# Altium PCB IPO1_V0.01.PcbDoc (part 1 of 2) (continued)
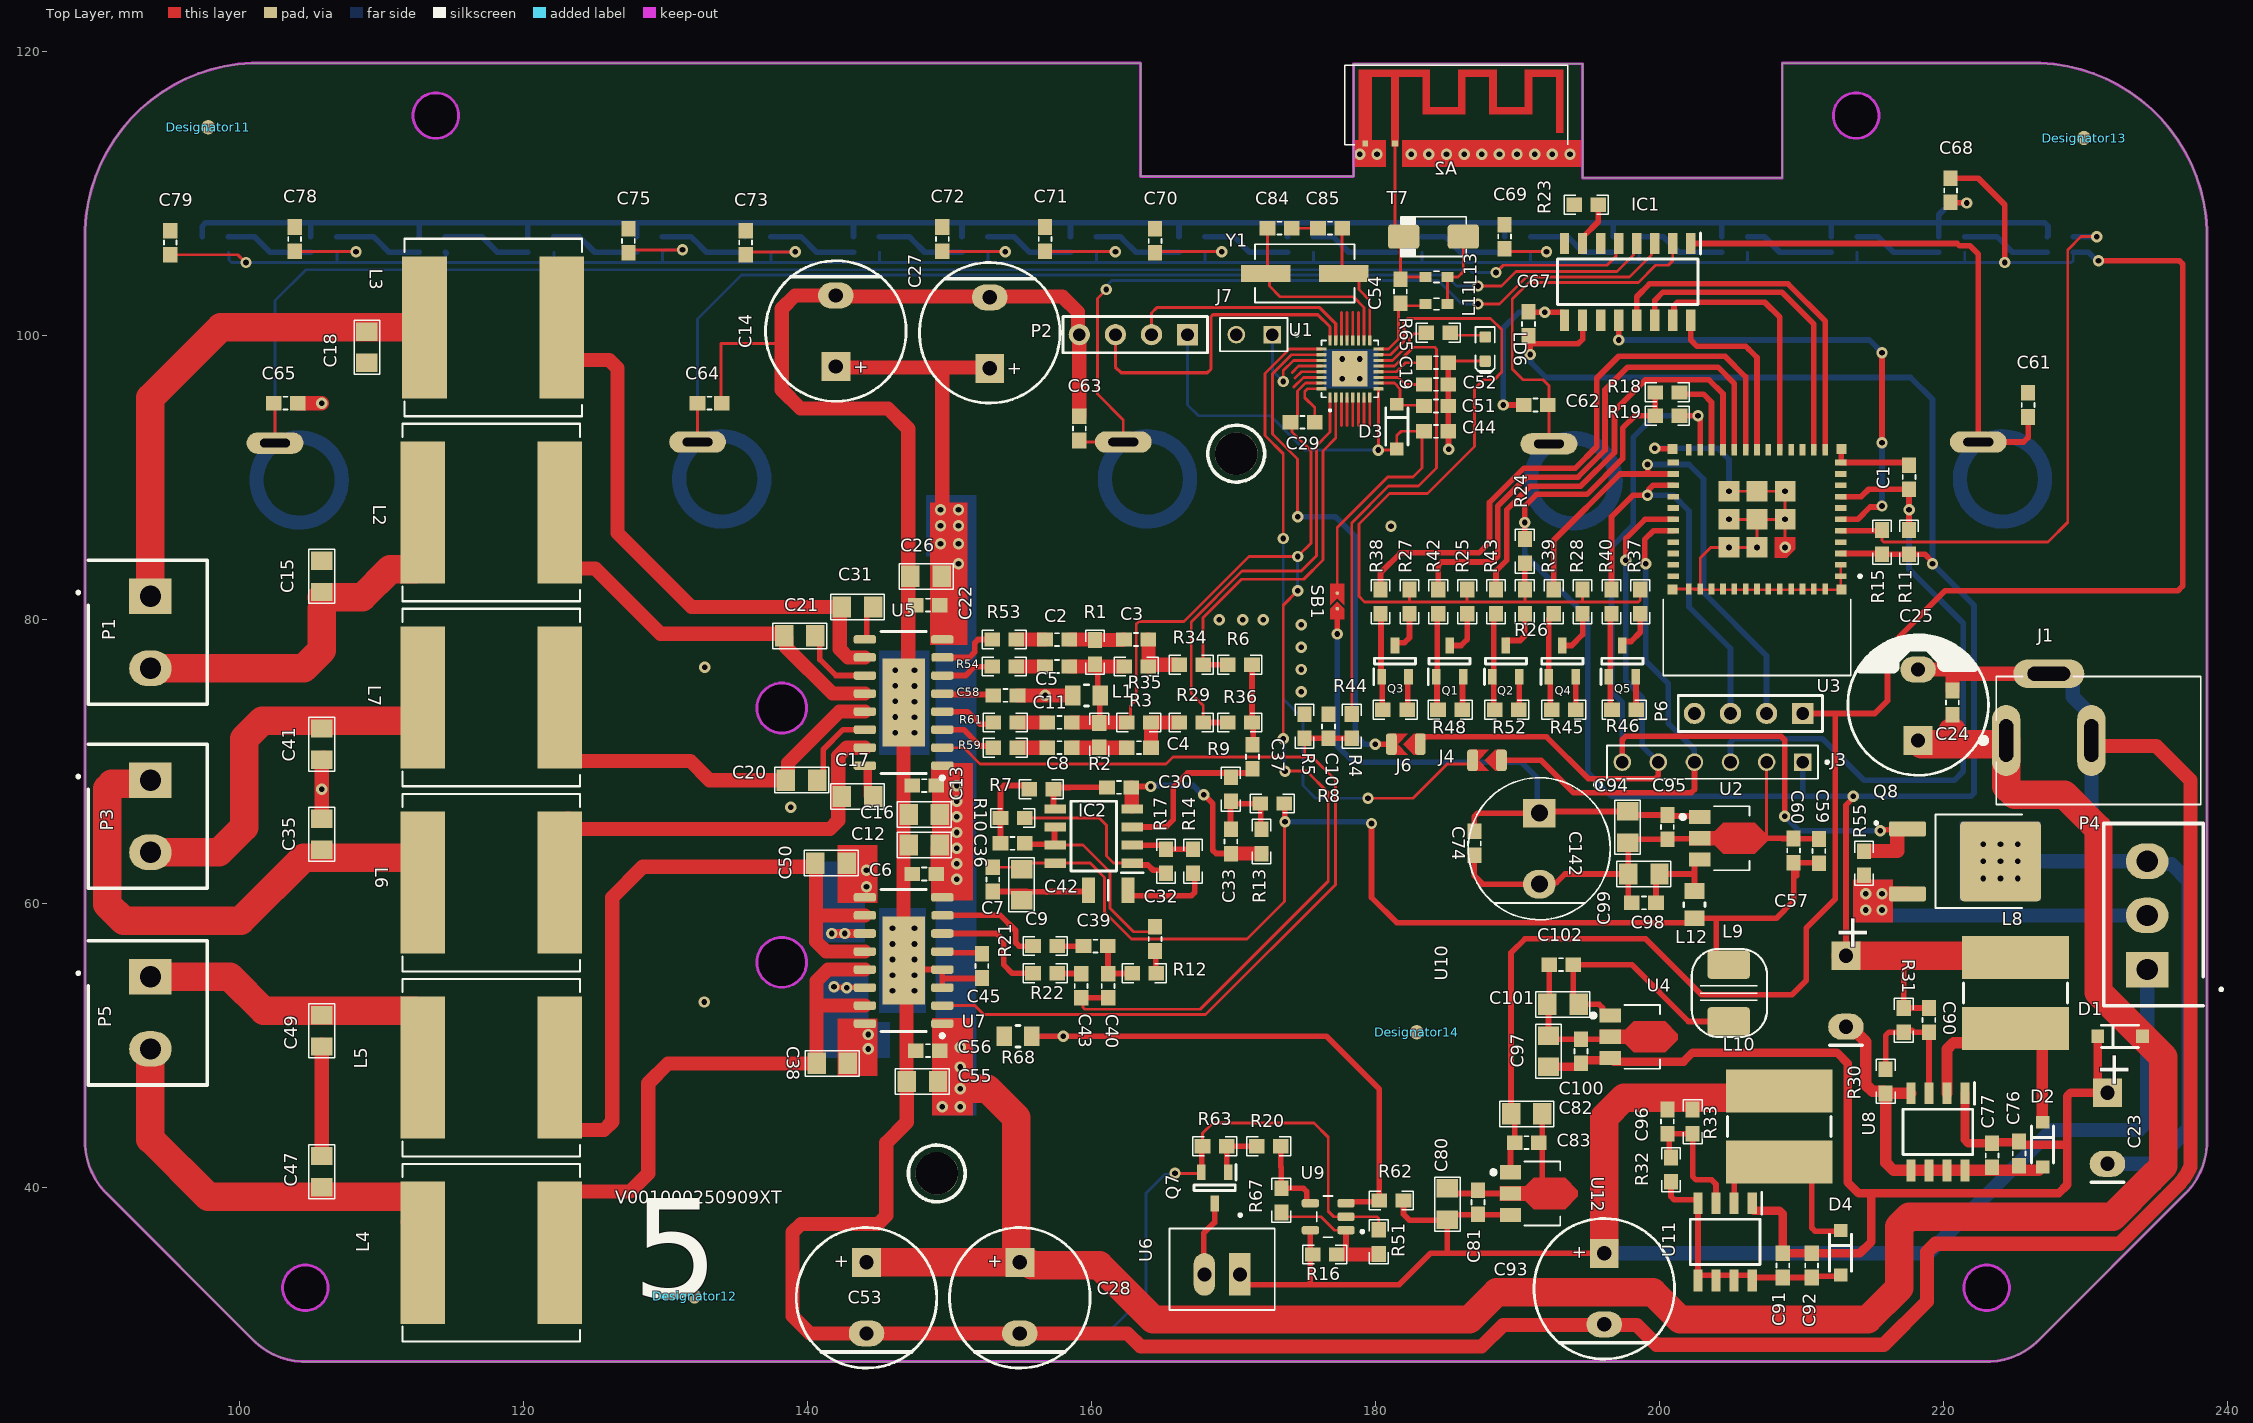
[diagram p0: Top Layer view]
## Components (designator, comment, footprint, x,y, rotation, side; value= is the part's Value field where it differs from the comment) (continued)
P2 "SWD" HDR1X4H 166.751,100.076 r180 top
P3 "Header 2" CONN-PHOENIX-5.08 93.726,66.294 r270 top
P4 "Header 3Pin" "CONN-PHOENIX-3.81 3Pin" 234.315,59.182 r90 top
P5 "Header 2" CONN-PHOENIX-5.08 93.726,52.451 r270 top
P6 "SWD" HDR1X4H 210.058,73.406 r180 top
Q1 "BC817" "BJT SS805" 185.198,77.089 r90 top
Q2 "BC817" "BJT SS805" 189.167,77.089 r90 top
Q3 "BC817" "BJT SS805" 181.356,77.089 r90 top
Q4 "BC817" "BJT SS805" 193.135,77.089 r90 top
Q5 "BC817" "BJT SS805" 197.358,77.089 r90 top
Q7 "BC817" BC817 168.656,40.005 r270 top
Q8 "M9003B BJT" "M9003 BJT" 221.488,62.992 r0 top
R1 "NC" RES-0603 160.231,77.724 r90 top value=3.3k
R2 "NC" RES-0603 160.528,71.882 r270 top value=3.3k
R3 "NC" RES-0603 163.322,72.771 r180 top value=3.3k
R4 "33k" RES-0603 178.308,72.517 r90 top
R5 "22K" RES-0603 174.987,72.497 r270 top
R6 "27K" RES-0603 170.434,76.835 r0 top
R7 "10k" RES-0603 156.464,68.072 r180 top
R8 "3.3k" RES-0603 172.72,67.056 r180 top
R9 "47k" RES-0603 169.799,68.072 r270 top
R10 "10k" RES-0603 154.432,66.04 r180 top
R11 "10k" RES-0603 217.551,85.471 r270 top
R12 "10k" RES-0603 163.703,55.118 r0 top
R13 "2.2k" RES-0603 171.958,64.389 r270 top
R14 "2.2k" RES-0603 167.132,62.992 r270 top
R15 "10k" RES-0603 215.646,85.471 r270 top
R16 "10k" RES-0603 176.403,35.306 r0 top
R17 "3.3k" RES-0603 165.227,62.992 r270 top
R18 "10k" RES-0603 200.533,96.012 r0 top
R19 "10k" RES-0603 200.533,94.361 r180 top
R20 "1k" RES-0603 172.466,42.926 r0 top
R21 "0R" RES-0603 156.718,57.023 r0 top
R22 "0R" RES-0603 156.718,55.118 r0 top
R23 "1k" RES-0603 194.818,109.22 r0 top
R24 "22K" RES-0603 190.5,84.836 r90 top
R25 "6.8k" RES-0603 186.436,81.28 r270 top
R26 "9.1k" RES-0603 190.5,81.28 r270 top
R27 "3.3k" RES-0603 182.372,81.28 r270 top
R28 "15k" RES-0603 194.564,81.28 r270 top
R29 "0R" RES-0603 167.005,72.771 r180 top value=3.3k
R30 "3.3k" RES-0603 215.9,47.498 r270 top
R31 "5.6k" RES-0603 217.17,51.816 r270 top
R32 "1k" RES-0603 200.787,41.286 r270 top
R33 "9.1k" RES-0603 202.311,44.665 r270 top
R34 "0R" RES-0603 167.005,76.835 r180 top value=3.3k
R35 "NC" RES-0603 163.141,76.708 r0 top value=3.3k
R36 "27K" RES-0603 170.434,72.771 r180 top
R37 "22k" RES-0603 198.628,81.28 r270 top
R38 "1k" RES-0603 180.34,81.28 r270 top
R39 "1k" RES-0603 192.532,81.28 r90 top
R40 "1k" RES-0603 196.596,81.28 r270 top
R42 "1k" RES-0603 184.404,81.28 r90 top
R43 "1k" RES-0603 188.468,81.28 r90 top
R44 "4.7K" RES-0603 181.356,73.66 r180 top
R45 "4.7K" RES-0603 193.23,73.66 r180 top
R46 "4.7K" RES-0603 197.485,73.66 r180 top
R48 "4.7K" RES-0603 185.23,73.66 r180 top
R51 "1k" RES-0603 180.213,36.195 r90 top
R52 "4.7K" RES-0603 189.23,73.66 r0 top
R53 "0R" RES-0603 153.851,78.608 r0 top
R54 "0R" RES-0603 153.851,76.703 r0 top
R55 "NC" RES-0603 214.376,62.865 r270 top
R56 "NTC 10K" RES-0805 154.686,50.546 r180 bottom
R59 "0R" RES-0603 153.924,70.993 r0 top
R61 "0R" RES-0603 153.924,72.771 r0 top
R62 "10k" RES-0603 181.102,39.116 r180 top
R63 "4.7k" RES-0603 168.656,42.926 r0 top
R65 "1k" RES-0603 184.404,100.203 r180 top
R67 "22k" RES-0603 173.355,39.116 r270 top
R68 "NTC 10K" RES-0805 154.813,50.673 r180 top
SB1 "jumper" JP2_SMD 177.292,81.28 r90 top
T2 "NEXT" "Touch pad CIRCULE - 5mm"#1 104.201,89.839 r0 bottom
T3 "VOL+" "Touch pad CIRCULE - 5mm"#2 133.953,89.916 r0 bottom locked
T4 "PP" "Touch pad CIRCULE - 5mm"#1 163.925,89.916 r0 bottom
T5 "VOL-" "Touch pad CIRCULE - 5mm"#1 193.897,89.789 r0 bottom locked
T6 "PREV" "Touch pad CIRCULE - 5mm"#1 224.123,89.916 r0 bottom locked
T7 "BioDirectional TVS Diod" SMAJ3.3A 184.066,106.976 r0 top
U1 "JL7016C" JL7016C 178.181,97.663 r90 top
U2 "78L05" 78L05 204.819,64.619 r270 top
U3 "ESP32-C3-MINI-1-N4" ESP32-C3-MINI-1 206.845,84.369 r180 top
U4 "78L12" 78L05 198.516,50.635 r270 top
U5 "CS8673E" CS8673E 146.754,74.168 r180 top
U6 "FAN_12V" "FAN_Connector XH" 169.184,33.384 r180 top
U7 "CS8673E" CS8673E 146.754,56.007 r180 top
U8 "XL1509-12E" FR9886 219.583,43.942 r270 top
U9 "LM321" LM321 176.648,37.971 r180 top
U10 "FAN_Heatsink" FAN_Heatsink 159.512,66.294 r180 top locked
U11 "XL1509-05E" FR9886 204.597,36.195 r270 top
U12 "78L05" 78L05 191.484,39.6 r270 top
Y1 "24MHZ" "crystal b" 175.006,104.394 r180 top

## Footprints (in the part's own frame and the unit in brackets; to place one, negate y for a bottom-side part, rotate by r counter-clockwise, add the part's x,y. Pads: shape width x height; smd on the part's side, far side on the other; paste and mask are expansions set on the pad)
"1N4148 SOD-123" [mm]
  rect 0.9x0.95 smd: 1(-1.575,0) 2(1.575,0)
  silkscreen extent -1.3,-0.77 1.3,0.77, body extent -1.85,-0.8 1.85,0.8, height 1.28
"1N5819 SOD-123" [mm]
  rect 0.9x0.95 smd: 1(-1.575,0) 2(1.575,0)
  silkscreen extent -1.3,-0.77 1.3,0.77, body extent -1.85,-0.8 1.85,0.8, height 1.28
78L05 [mm] "SOT-89"
  rect 1x1.5 smd: 1(-1.5,-2) 3(1.5,-2)
  rect 1x1.5 smd paste-2 mask+0: 2(0,-2)
  Top Layer region: 1.1,1.85 1.1,-0.35 0.5,-0.95 0.5,-2.75 -0.5,-2.75 -0.5,-0.95 -1.1,-0.35 -1.1,1.85 -0.2,2.75 0.2,2.75
  silkscreen extent -2.25,-3.34 2.25,1.5, body extent -2.29,-2.35 2.41,2.1, height 1.7
"ANTENNA 2.4GHZ - TI" [mm] "TI ANTENNA"
  rect 0.4x0.4 smd: 1(-2.05,0.2) 2(0.05,0.2)
  Top Layer region: 0.3,0 -0.2,0 -0.2,4.9 -1.6,4.9 -1.6,0 -2.5,0 -2.5,5.4 2.5,5.4 2.5,2.76 4.5,2.76 4.5,5.4 7.2,5.4 7.2,2.76 9.2,2.76 9.2,5.4 11.9,5.4 11.9,0.96 11.4,0.96 11.4,4.9 9.7,4.9 9.7,2.26 6.7,2.26 6.7,4.9 5,4.9 5,2.26 2,2.26 2,4.9 0.3,4.9
  silkscreen extent -3.5,0.1 12.2,5.7
BC817 [mm] "SOT23-3"
  rect 1.1x0.6 smd: 1(-1.1,0.95) 2(-1.1,-0.95) 3(1.1,0)
  silkscreen extent -1.65,-1.45 0.2,1.5, body extent -1.25,-1.5 1.25,1.5, height 1.11
"BJT SS805" [mm]
  rect 1.1x0.6 smd: 1(-1.1,0.95) 2(-1.1,-0.95) 3(1.1,0)
  silkscreen extent -1.65,-1.45 0.2,1.5, body extent -1.25,-1.5 1.25,1.5, height 1.11
BS816A-1 [mm]
  rect 1.5x0.65 smd: 1(-2.7,4.445) 2(-2.7,3.175) 3(-2.7,1.905) 4(-2.7,0.635) 5(-2.7,-0.635) 6(-2.7,-1.905) 7(-2.7,-3.175) 8(-2.7,-4.445) 9(2.7,-4.445) 10(2.7,-3.175) 11(2.7,-1.905) 12(2.7,-0.635) 13(2.7,0.635) 14(2.7,1.905) 15(2.7,3.175) 16(2.7,4.445)
  silkscreen extent -3.45,-4.95 1.6,5.12, body extent -3,-4.95 3,4.95, height 1.75
cap0603 [mm]
  rect 1.1x1 smd: 1(-0.85,0) 2(0.85,0)
  silkscreen extent -0.15,-0.45 0.15,0.45, body extent -0.8,-0.45 0.8,0.45, height 0.82
"CAP 0805" [mil]
  rect 51x59 smd: 1(-43.31,0) 2(43.31,0)
  Top Layer pour cut-out: 15,35 15,-35 -15,-35 -15,35
  silkscreen extent -75,-35 75,35, body extent -39,-25 39,25, height 31
"CAP 1206" [mm]
  rect 0.9x1.82 smd: 1(-1.397,0) 2(1.397,0)
  silkscreen extent 0,-0.7 0,0.7, body extent -1.6,-0.8 1.6,0.8, height 1.8
"cap  dip 10*20" [mm] "CAP 8*13"
  rect 2x2.3 hole 1.2: 1(-2.5,0)
  oval 2x2.3 hole 1.2: 2(2.5,0)
  silkscreen extent -5,-5 5,5, body extent -5,-4.99 5,5, height 23.8
"CAP DIP 10*13" [mm] "CAP 10*13"
  rect 2.032x2.032 hole 1: 1(0,2.5)
  oval 2.5x1.829 hole 1: 2(0,-2.5)
  silkscreen extent -4.95,-4.95 4.95,4.95, body extent -5,-5 5,5, height 13.3
"CONN-PHOENIX-3.81 3Pin" [mm]
  rect 2.5x3 hole 1.5: 1(-3.81,0)
  oval 2.5x3 hole 1.5: 2(0,0) 3(3.81,0)
  silkscreen extent -6.35,-5.31 6.48,3.05, body extent -6.41,-4.19 6.41,3.06, height 9.2
CONN-PHOENIX-5.08 [mm]
  rect 2.5x3 hole 1.5: 1(-2.413,0)
  oval 2.5x3 hole 1.5: 2(2.667,0)
  silkscreen extent -4.95,-5.18 5.21,4, body extent -5.08,-4.38 5.08,4.12, height 12
"crystal b" [mm]
  rect 3.5x1.2 smd: 1(-2.75,0) 2(2.75,0)
  silkscreen extent -3.5,-2.05 3.5,2.05, body extent -3.8,-2.05 3.8,2.05, height 2.3
CS8673E [mm] "ESOP16"
  rrect50% 1.57x0.6 smd paste-1: 1(-2.725,4.445) 2(-2.725,3.175) 3(-2.725,1.905) 4(-2.725,0.635) 5(-2.725,-0.632) 6(-2.725,-1.905) 7(-2.746,-3.179) 8(-2.725,-4.445) 9(2.725,-4.445) 10(2.725,-3.179) 11(2.725,-1.905) 12(2.725,-0.632) 13(2.725,0.635) 14(2.725,1.905) 15(2.725,3.175) 16(2.725,4.445)
  rect 3x6.2 smd paste-2539.97: 17(0,0)
  silkscreen extent -2.85,-5 1.6,5.42, body extent -3,-5 3,5, height 2.65
ESP32-C3-MINI-1 [mm]
  rect 0.8x0.4 smd: 1(-5.9,1.3) 2(-5.9,0.5) 3(-5.9,-0.3) 4(-5.9,-1.1) 5(-5.9,-1.9) 6(-5.9,-2.7) 7(-5.9,-3.5) 8(-5.9,-4.3) 9(-5.9,-5.1) 10(-5.9,-5.9) 11(-5.9,-6.7) 25(5.9,-6.7) 26(5.9,-5.9) 27(5.9,-5.1) 28(5.9,-4.3) 29(5.9,-3.5) 30(5.9,-2.7) 31(5.9,-1.9) 32(5.9,-1.1) 33(5.9,-0.3) 34(5.9,0.5) 35(5.9,1.3)
  rect 0.4x0.8 smd: 12(-4.8,-7.6) 13(-4,-7.6) 14(-3.2,-7.6) 15(-2.4,-7.6) 16(-1.6,-7.6) 17(-0.8,-7.6) 18(0,-7.6) 19(0.8,-7.6) 20(1.6,-7.6) 21(2.4,-7.6) 22(3.2,-7.6) 23(4,-7.6) 24(4.8,-7.6) 36(4.8,2.2) 37(4,2.2) 38(3.2,2.2) 39(2.4,2.2) 40(1.6,2.2) 41(0.8,2.2) 42(0,2.2) 43(-0.8,2.2) 44(-1.6,2.2) 45(-2.4,2.2) 46(-3.2,2.2) 47(-4,2.2) 48(-4.8,2.2)
  rect 0.6x0.6 smd paste-1 mask+0: 49_1(-1.975,-0.725)
  rect 1.45x1.45 smd: 49_2(0,-0.725) 49_3(1.975,-0.725) 49_4(1.975,-2.7) 49_5(1.975,-4.675) 49_6(0,-4.675) 49_7(-1.975,-4.675) 49_8(-1.975,-2.7) 49_9(0,-2.7)
  rect 0.7x0.7 smd: 50(5.95,2.25) 51(5.95,-7.65) 52(-5.95,-7.65) 53(-5.95,2.25)
  Top Layer region: -1.25,-1.45 -2.7,-1.45 -2.7,-0.6 -2.1,0 -1.25,0
  silkscreen extent -7.35,1.2 6.6,8.3, body extent -6.6,-8.3 6.6,8.3, height 2.55
"FAN_Connector XH" [mm] "FAN_Connector XH 2.54mm"
  rect 1.508x3 hole 1: 1(-1.25,-0.525)
  oval 1.508x3 hole 1: 2(1.25,-0.525)
  silkscreen extent -3.7,-4.8 3.7,1.99, body extent -3.71,-3.89 3.68,1.85, height 7.12
FAN_Heatsink [mm] "55mm Aluminum Heatsink with Cooling Fan"
  round 3 hole 3: 3(-10.668,-25.4) 3(10.414,25.273)
  silkscreen extent -12.67,-27.4 12.41,27.27, body extent -27.5,-28.41 27.5,28.42, height 22.15
Ferrite-0805 [mm]
  rect 1.1x1.4 smd: 1(0.962,0) 2(-0.962,0)
  silkscreen extent -0.14,-0.75 0.14,0.75, body extent -1.02,-0.63 1.02,0.64, height 0.6
Fiducial-2layer [mm]
  round 1 smd paste-1 mask+0.8: 25(0,0) 25(0,0)
  round 1 smd far side paste-1 mask+0.8: 25(0,0) 25(0,0)
FR9886 [mm]
  rect 1.525x0.65 smd: 1(-2.712,1.905) 2(-2.712,0.635) 3(-2.712,-0.635) 4(-2.712,-1.905) 5(2.712,-1.905) 6(2.712,-0.635) 7(2.712,0.635) 8(2.712,1.905)
  silkscreen extent -3.47,-2.45 1.6,2.58, body extent -3,-2.45 3,2.45, height 1.75
HDR1X4H [mm] "Connector; Header; 4 Position; Right Angle"
  rect 1.5x1.5 hole 0.9: 1(0,0)
  round 1.5 hole 0.9: 2(2.54,0) 3(5.08,0) 4(7.62,0)
  silkscreen extent -1.4,-1.27 8.76,1.27
"Inductor 8*7" [mm] "Inductor, 2-Leads"
  rect 3x7.5 smd: 1(-2.5,0) 2(2.5,0)
  silkscreen extent -0.7,-3.65 0.7,3.65, body extent -3.95,-3.5 3.94,3.5, height 5
"inductor 12*12" [mil]
  rect 124x393.7 smd paste-99999: 1(-190,0) 2(190,0)
  silkscreen extent -246,-246 246,246, body extent -236,-236 236,236, height 315
"inductor 0603" [mm]
  rect 0.85x0.7 smd: 1(-0.775,0) 2(0.775,0)
  silkscreen extent -0.2,-0.4 0.2,0.4, body extent -0.8,-0.4 0.8,0.4, height 0.8
"Inductor SMD 5.3x6.3mm" [mm] "Inductor 4.7µH SMD 5.3*6.3mm"
  round 0.508 on Mech15: 0(0,0)
  rrect25% 2x3 smd: 1(-2,0) 2(2,0)
  silkscreen extent -3.1,-2.6 3.1,2.7, body extent -2.9,-2.6 2.89,2.6, height 4.5
JL7016C [mm] "QFN32 4*4"
  rrect25% 0.71x0.22 smd mask-2539.97: 1(-2.005,1.4) 2(-2.005,1) 3(-2.005,0.6) 4(-2.005,0.2) 5(-2.005,-0.2) 6(-2.005,-0.6) 7(-2.005,-1) 8(-2.005,-1.4) 17(2.005,-1.4) 18(2.005,-1) 19(2.005,-0.6) 20(2.005,-0.2) 21(2.005,0.2) 22(2.005,0.6) 23(2.005,1) 24(2.005,1.4)
  rrect25% 0.22x0.71 smd mask-2539.97: 9(-1.4,-2.005) 10(-1,-2.005) 11(-0.6,-2.005) 12(-0.2,-2.005) 13(0.2,-2.005) 14(0.6,-2.005) 15(1,-2.005) 16(1.4,-2.005) 25(1.4,2.005) 26(1,2.005) 27(0.6,2.005) 28(0.2,2.005) 29(-0.2,2.005) 30(-0.6,2.005) 31(-1,2.005) 32(-1.4,2.005)
  rect 2.5x2.5 smd paste-2: 33(0,0)
  silkscreen extent -2.97,-2 2,2, body extent -2,-2 2,2, height 0.55
JP2_SMD [mil]
  round 10 smd paste-10 mask+3.94: 1(-19.68,0) 2(23.62,0)
  Top Layer region: -9.84,-19.69 49.21,-19.69 49.21,19.68 -9.84,19.68 9.84,0
  Top Layer region: -19.68,19.68 -49.21,19.68 -49.21,-19.69 -19.68,-19.69 0,0
LED-0603-BLUE [mm]
  round 0.254 on Mech15: 0(0,0)
  rrect25% 0.8x0.8 smd: 1(0.85,0) 2(-0.85,0)
  Bottom Layer pour cut-out: -0.5,-0.5 0.5,-0.5 0.5,0.5 -0.5,0.5
  silkscreen extent -1.55,-0.67 1.68,0.67, body extent -0.8,-0.4 0.8,0.4, height 0.75
LM321 [mm] "SOT23-5"
  rrect50% 1.21x0.59 smd: 1(-1.255,0.95) 2(-1.255,0) 3(-1.255,-0.95) 4(1.255,-0.95) 5(1.255,0.95)
  silkscreen extent -2.51,-1.45 0.8,1.45, body extent -1.4,-1.45 1.4,1.45, height 1.43
"M9003 BJT" [mm] "TO255-DPACK"
  rrect25% 2.6x1.06 smd: 1(-4.05,2.286) 3(-4.05,-2.286)
  rrect10% 5.7x5.632 smd paste-4: 2(2.5,0)
  silkscreen extent -6.35,-3.29 4.03,3.29, body extent -4.77,-3.3 4.98,3.3, height 2.3
"pin header1*6" [mm]
  rect 1.24x1.24 hole 0.89: 1(0,0)
  round 1.24 hole 0.89: 2(2.54,0) 3(5.08,0) 4(7.62,0) 5(10.16,0) 6(12.7,0)
  silkscreen extent -1.82,-1.17 13.77,1.17, body extent -1.27,-1.24 13.97,1.25, height 8.54
"pin header R 1*2" [mm] "2.54MM"
  rect 1.24x1.24 hole 0.89: 1(0,0)
  round 1.24 hole 0.89: 2(2.54,0)
  silkscreen extent -1.82,-1.17 3.68,1.17, body extent -1.26,-1.27 3.82,7.18, height 4.4
"Power jack" [mm]
  oval 2x5 hole 1 slot 3 at 90 deg: 1(-6.5,0) 2(-0.5,0)
  oval 5x2 hole 1 slot 3 at 0 deg: 3(-3.5,4.7)
  silkscreen extent -8.3,-4.5 7.2,4.5, body extent -7.2,-4.57 7.2,4.83, height 11.01
RC4558 [mm]
  rect 1.525x0.65 smd: 1(-2.712,1.905) 2(-2.712,0.635) 3(-2.712,-0.635) 4(-2.712,-1.905) 5(2.712,-1.905) 6(2.712,-0.635) 7(2.712,0.635) 8(2.712,1.905)
  silkscreen extent -3.47,-2.45 1.6,2.58, body extent -3,-2.45 3,2.45, height 1.75
RES-0603 [mm]
  rect 1.1x1 smd: 1(0.85,0) 2(-0.85,0)
  Top Layer pour cut-out: 0.254,0.635 -0.254,0.635 -0.254,-0.635 0.254,-0.635
  silkscreen extent -1.55,-0.66 1.55,0.66, body extent -0.8,-0.42 0.8,0.43, height 0.45
RES-0805 [mm]
  rect 1.1x1.4 smd: 1(0.962,0) 2(-0.962,0)
  silkscreen extent -0.14,-0.75 0.14,0.75, body extent -1.02,-0.63 1.02,0.64, height 0.6
SMAJ3.3A [mm] "JEDEC DO214-AC. SMA"
  round 0.508 on Mech15: 0(0,0)
  rrect25% 2.2x1.7 smd: A(2.1,0) C(-2.1,0)
  silkscreen extent -2.3,-1.4 2.3,1.4, body extent -2.6,-1.3 2.6,1.3, height 2.42
SOLDERJUMPER_ARROW_NOPASTE [mil] "SOLDERJUMPER_ARROW_NOPASTE"
  rrect50% 30x60 smd paste+0 mask+0: 1(-40,0) 2(40,0)
  Top Layer region: -5,29 23,0 -5,-29 45,-29 45,29 -5,29
  Top Layer region: -45,29 -22.5,29 6.5,0 -22.5,-29 -45,-29 -45,29
  body extent -58,-33 58,33, height 150
"Touch pad CIRCULE - 5mm"#1 [mm]
  oval 4x1.5 hole 0.6 slot 2.1 at 0 deg: 1(-1.7,-2.6)
  Top Layer circle w1: c0,0 r3
  body extent -6.1,-6.34 5.76,5.93, height 17.33
"Touch pad CIRCULE - 5mm"#2 [mm]
  oval 4x1.5 hole 0.6 slot 2.1 at 0 deg: 1(-1.7,-2.6)
  Top Layer lines w1: -1.497,-2.6 ccw(c0,0) -0.895,-2.863 ccw(c0,0) 3,0 ccw(c0,0) -1.497,-2.6
  body extent -6.1,-6.34 5.76,5.93, height 17.33
WS28122020 [mm]
  rect 0.7x0.7 smd: 1(0.915,-0.55) 2(0.915,0.55) 3(-0.915,0.55) 4(-0.915,-0.55)
  silkscreen extent -0.2,-1 1.8,1, body extent -1.1,-1 1.1,1, height 0.94

## Part data
A2: "ESP32 ANTENNA", Package=None, Digi-Key_Part_Number=1532-1001-1-ND, Digi-Key_Purchase_URL=https://www.digikey.com/product-detail/en/proant-ab/PRO-OB-440/1532-1001-1-ND/4895684?utm_source=snapeda&utm_medium=aggregator&utm_campaign=symbol, MF="Proant AB", MP=PRO-OB-440, SnapEDA_Link=https://www.snapeda.com/parts/PRO-OB-440/Proant%20AB/view-part/2307534/?ref=snap
C1 C2 C3 C4 C5 C6 C7 C8 C10 C11 C13 C19 C22 C24 C29 C30 C32 C33 C36 C37 C39 C40 C43 C44 C45 C51 C52 C54 C56 C58 C59 C60 C61 C62 C63 C64 C65 C67 C68 C69 C70 C71 C72 C73 C74 C75 C76 C77 C78 C79 C81 C83 C84 C85 C90 C91 C92 C95 C96 C98 C100 C102: library part "Cap 0603", "Capacitor 0603", LatestRevisionDate=17-Jul-2002, LatestRevisionNote="Re-released for DXP Platform.", Published=8-Jun-2000, Publisher="Altium Limited"
C9 C12 C15 C16 C17 C18 C20 C21 C26 C31 C35 C38 C41 C47 C49 C50 C55 C80 C82 C94 C97 C99 C101: library part "Cap 0805", "Capacitor 0805", LatestRevisionDate=17-Jul-2002, LatestRevisionNote="Re-released for DXP Platform.", Published=8-Jun-2000, Publisher="Altium Limited"
C14 C23 C25 C27 C28 C53 C57 C93: library part "capacitor dip 10*13", "2200ÂµF 50V Aluminum Electrolytic Capacitors Radial, Can 1000 Hrs @ 105Â°C", Package="Radial Nichicon", Availability=Unavailable, MF=Nichicon, MP=UVZ1H222MHD, Price=None, SnapEDA_Link=https://www.snapeda.com/parts/UVZ1H222MHD/Nichicon/view-part/468437/?ref=snap
C42: library part "Cap 1206", "Capacitor 1206", LatestRevisionDate=17-Jul-2002, LatestRevisionNote="Re-released for DXP Platform.", Published=8-Jun-2000, Publisher="Altium Limited"
C142: library part "capacitor dip 10*20", "2200ÂµF 50V Aluminum Electrolytic Capacitors Radial, Can 1000 Hrs @ 105Â°C", Package="Radial Nichicon", Availability=Unavailable, MF=Nichicon, MP=UVZ1H222MHD, Price=None, SnapEDA_Link=https://www.snapeda.com/parts/UVZ1H222MHD/Nichicon/view-part/468437/?ref=snap
D1 D2 D4: "Shotkey diod SOD-123", Package="SOD-523 NXP Semiconductors", Arrow_Electronics-Purchase-URL=https://snapeda.com/shop?store=Arrow+Electronics&id=143287, Availability=Unavailable, MF="Nexperia USA", MP=BAS716, Price=None, SnapEDA_Link=https://www.snapeda.com/parts/BAS716/Nexperia%20USA%20Inc./view-part/143287/?ref=snap
D3: library part 1N4148_SOD123, "SOD-123 Package", Package=None, Availability=Unavailable, MF="ROHM Semiconductor", MP=EDZV12B, Price=None, SnapEDA_Link=https://www.snapeda.com/parts/EDZV12B/EMI/view-part/4479349/?ref=snap
IC1: "6_ch touch sensor 16-pin NSOP", Manufacturer_Name=Holtek, Datasheet Link=https://www.holtek.com/documents/10179/116711/BS81xA-xv150.pdf, Height=1.75mm, Manufacturer_Part_Number=BS816A-1
IC2: "Integrated Circuit SOIC 8", Manufacturer_Name="Texas Instruments", Mouser Part Number=595-RC4558DR, Arrow Part Number=RC4558DR, Arrow Price/Stock=https://www.arrow.com/en/products/rc4558dr/texas-instruments, Datasheet Link=http://www.ti.com/lit/gpn/rc4558, Height=1.75mm, Manufacturer_Part_Number=RC4558DR, Mouser Price/Stock=https://www.mouser.co.uk/ProductDetail/Texas-Instruments/RC4558DR?qs=DXdcjUGny5OhrzskaZRdew%3D%3D
J1: "2.0 x 6.5 mm, 2.5 A, Horizontal, Through Hole, Tapered Pins, Dc Power Jack Connector", Package=None, Availability=Unavailable, CUI_purchase_URL=https://www.cuidevices.com/product/interconnect/connectors/dc-power-connectors/jacks/pj-102a?utm_source=snapeda.com&utm_medium=referral&utm_campaign=snapedaBOM, MF="CUI Devices", MP=PJ-102A, Price=None, SnapEDA_Link=https://www.snapeda.com/parts/PJ-102A/CUI%20Devices/view-part/55545/?ref=snap
J3: library part "pin header 06", "Pin Connector 06 MODII HDR SRST B/A .100CL 6 POS", Package=None, Availability=Unavailable, MF="TE Connectivity", MP=5-146283-6, Price=None, SnapEDA_Link=https://www.snapeda.com/parts/5-146283-6/TE%20Connectivity%20AMP%20Connectors/view-part/?ref=snap, TE_purchase_URL=https://www.te.com/usa-en/product-5-146283-6.html?te_bu=Cor&te_type=disp&te_campaign=seda_glo_cor-seda-global-disp-prtnr-fy19-seda-model-bom-cta_sma-317_1&elqCampaignId=32493
J4 J6: "SMD Solder JUMPERSolder the two pads together to create a connection, or remove the solder to break it.REFLOW - Use this footprint for solder paste and reflow ovens.WAVE - Use this footprint for hand-soldering (larger pads). CLOSED - Has a trace between the two pads to ensure it is closed by default.  The trace needs to be cut to disable the jumper, and can be closed again by creating a solder bridge between the two pads.", BOM=EXCLUDE, DeviceSetName=SOLDERJUMPER, GateName_1=1, LibraryName=microbuilder, SymbolName_1=SOLDERJUMPER
J7: "pin header 1*2 2.54mm"
L1 L12: library part "Ferrite _0805", "BLM Series 0805 330 Ohm 400 mA 0.58 Ohm DCR Surface Mount Ferrite Bead", Package="0603 Murata", Availability=Unavailable, MF=Murata, MP=BLM18BB331SN1D, Price=None, SnapEDA_Link=https://www.snapeda.com/parts/BLM18BB331SN1D/Murata%20Electronics%20North%20America/view-part/?ref=snap
L2 L3 L4 L5 L6 L7: library part "INDUCTOR 12*12", "Inductor round 12*12", Package="Nonstandard Eaton", Availability=Unavailable, MF=Eaton, MP=DR127-330-R, Price=None, SnapEDA_Link=https://www.snapeda.com/parts/DR127-330-R/Eaton/view-part/?ref=snap
L8 L10: library part "INDUCTOR 8*7", "Inductor round 8*7", Package="Nonstandard Eaton", Availability=Unavailable, MF=Eaton, MP=DR127-330-R, Price=None, SnapEDA_Link=https://www.snapeda.com/parts/DR127-330-R/Eaton/view-part/?ref=snap
L9: library part "INDUCTOR 5.3*6.3", "Inductor round 5.3*6.3", Package="Nonstandard Eaton", Availability=Unavailable, MF=Eaton, MP=DR127-330-R, Price=None, SnapEDA_Link=https://www.snapeda.com/parts/DR127-330-R/Eaton/view-part/?ref=snap
L11 L13: library part INDUCTOR_SMD, "Inductor smd", Package="Nonstandard Eaton", Availability=Unavailable, MF=Eaton, MP=DR127-330-R, Price=None, SnapEDA_Link=https://www.snapeda.com/parts/DR127-330-R/Eaton/view-part/?ref=snap
LD6: library part LED_blue, "LED, Blue, 0603", Manuf_1=everlight, Manuf_Part_1=19-213-R6C-AP1Q2B/3T, ECCN_US/EU=EAR99/NEC, Order=19-213-R6C-AP1Q2B/3T
LED1 LED2 LED3 LED4 LED5 LED6 LED7 LED8 LED9 LED10 LED11 LED12 LED13 LED14 LED15 LED16 LED17 LED18: "LED", Manufacturer_Name=Worldsemi, Datasheet Link=http://www.world-semi.com/DownLoadFile/140, Height=0.84mm, Manufacturer_Part_Number=WS2812-2020
P1 P3 P5: library part CONN-Phoenix-5.08, "Phoenix Connector 5.08", LatestRevisionDate=17-Jul-2002, LatestRevisionNote="Re-released for DXP Platform.", Publisher="Altium Limited"
P2: library part "Header 4", "Header, 4-Pin", LatestRevisionDate=17-Jul-2002, LatestRevisionNote="Re-released for DXP Platform.", Publisher="Altium Limited"
P4: library part "CONN-Phoenix-3.81 3Pin", "Phoenix Connector 3.81", LatestRevisionDate=17-Jul-2002, LatestRevisionNote="Re-released for DXP Platform.", Publisher="Altium Limited"
P6: library part "pin header 1X4", "Header, 4-Pin", LatestRevisionDate=17-Jul-2002, LatestRevisionNote="Re-released for DXP Platform.", Publisher="Altium Limited"
Q1 Q2 Q3 Q4 Q5: library part "SS8050-G BJT_ Transistor", "Bipolar _BJT_ Transistor NPN 25V 1.5A 100MHz 300mW Surface Mount SOT-23", Package="TO-236 Comchip", Availability=Unavailable, MF="Comchip Technology", MP=SS8050-G, Price=None, SnapEDA_Link=https://www.snapeda.com/parts/SS8050-G/Comchip%20Technology/view-part/809142/?ref=snap
Q7: "NPN General Purpose Amplifier BJT", ComponentLink1Description="Manufacturer Link", ComponentLink1URL=http://www.fairchildsemi.com/, ComponentLink2Description=Datasheet, ComponentLink2URL=http://www.fairchildsemi.com/ds/2N%2F2N3904.pdf, DatasheetVersion=1997, LatestRevisionDate=15-Jan-2003, LatestRevisionNote="PCB Footprint 'BCY-W3/D4.7' replaced", PackageDescription="TO, Flat Index; 3 In-Line, Axial Leads; Body Dia. 4.5mm; Leads 0.51 x 0.48 mm (max)", PackageReference=TO-92A, PackageVersion=Sep-1998, Published=8-Jun-2000, Publisher="Altium Limited"
Q8: library part M9003B, "Bipolar (BJT) Transistor NPN TO-252, (D-Pak)", Package="TO-252-3 Diodes Inc.", Check_prices=https://www.snapeda.com/parts/2DB1184Q-13/Diodes+Inc./view-part/?ref=eda, MF="Diodes Inc.", MP=2DB1184Q-13, SnapEDA_Link=https://www.snapeda.com/parts/2DB1184Q-13/Diodes+Inc./view-part/?ref=snap
R1 R2 R3 R4 R5 R6 R7 R8 R9 R10 R11 R12 R13 R14 R15 R16 R17 R18 R19 R20 R21 R22 R23 R24 R25 R26 R27 R28 R29 R30 R31 R32 R33 R34 R35 R36 R37 R38 R39 R40 R42 R43 R44 R45 R46 R48 R51 R52 R53 R54 R55 R59 R61 R62 R63 R65 R67: library part "Res 0603", "Resistor 0603", LatestRevisionDate=29-May-2009, LatestRevisionNote="IPC-7351 Footprint Added.", PackageDescription="Chip Resistor", PackageReference=J1-0603, Published=8-Jun-2000, Publisher="Altium Limited"
R56 R68: library part "Res 0805", "resistor 0805"
SB1: "Circuit Breaker", Revision="July-2002: Re-released for DXP Platform.", Solder=NO
T2 T3 T4 T5 T6: library part "touch pad 5mm"
T7: library part SMAJ3.3A, "one side TVS Diode", Package=None, Availability=Unavailable, MF="ROHM Semiconductor", MP=EDZV12B, Price=None, SnapEDA_Link=https://www.snapeda.com/parts/EDZV12B/EMI/view-part/4479349/?ref=snap
U1: "BlE Chip"
U2 U12: "Linear Voltage Regulator IC 1 Output 100mA SOT-89-3", Package="SOT-89-3 Texas Instruments", Availability=Unavailable, MF="Texas Instruments", MP=UA78L05CPK, Price=None, SnapEDA_Link=https://www.snapeda.com/parts/UA78L05CPK/Texas%20Instruments/view-part/512891/?ref=snap
U3: Package=None, Availability=Unavailable, MF="{'manufacturer': u'Espressif Systems'}", MP=ESP32-C3-MINI-1-N4, Price=None
U4: library part 78L05, "Linear Voltage Regulator IC 1 Output 100mA SOT-89-3", Package="SOT-89-3 Texas Instruments", Availability=Unavailable, MF="Texas Instruments", MP=UA78L05CPK, Price=None, SnapEDA_Link=https://www.snapeda.com/parts/UA78L05CPK/Texas%20Instruments/view-part/512891/?ref=snap
U5 U7: "AB/D 2X40W BTL & 80W PBTL ESOP16", Arrow Part Number=CS8679E, Manufacturer_Name=Chipstar, Mouser Part Number=511-TDA7491HV13TR, Arrow Price/Stock=https://www.arrow.com/en/products/tda7491hv13tr/stmicroelectronics, Height=2.47mm, Manufacturer_Part_Number=CS8679E, Mouser Price/Stock=https://www.mouser.com/Search/Refine.aspx?Keyword=511-TDA7491HV13TR
U6: "FAN 12V 40*40*10mm . XH Connector", Manufacturer Part=?, Contributor=novasilisko, spicePre=U, timeStamp=1467237407
U8: "Regulator SOP-8", Manufacturer_Name=Fitipower, Manufacturer_Part_Number=FR9886SOGTR, Datasheet Link=https://www.insidegadgets.com/wp-content/uploads/2015/03/FR9886.pdf, Height=1.75mm
U9: "Operational Amplifier 5-SOT-23", Package="SOT-23-5 Texas Instruments", Digi-Key_Part_Number=296-13033-1-ND, Digi-Key_Purchase_URL=https://www.digikey.de/product-detail/en/texas-instruments/OPA354AIDBVT/296-13033-1-ND/480149?utm_source=snapeda&utm_medium=aggregator&utm_campaign=symbol, MF="Texas Instruments", MP=OPA354AIDBVT, SnapEDA_Link=https://www.snapeda.com/parts/OPA354AIDBVT/Texas%20Instruments/view-part/?ref=snap
U10: "55mm Aluminum Heatsink with Cooling Fan", Manufacturer Part=?, Contributor=novasilisko, spicePre=U, timeStamp=1467237407
U11: library part XL1509-12E, "Regulator SOP-8", Manufacturer_Name=Fitipower, Manufacturer_Part_Number=FR9886SOGTR, Datasheet Link=https://www.insidegadgets.com/wp-content/uploads/2015/03/FR9886.pdf, Height=1.75mm
Y1: library part "crystal b", "13MHz Â±30ppm Crystal 20pF 60 Ohms HC-49/US  ECS-130-20-3X-TR", Package="HC49/US ECS International", Availability=Warning, Check_prices=https://www.snapeda.com/parts/ECS-130-20-3X-TR/ECS%20Inc./view-part/2459108/?ref=eda, MF="ECS Inc.", MP=ECS-130-20-3X-TR, Price=None, Purchase-URL=https://pricing.snapeda.com/search/part/ECS-130-20-3X-TR/?ref=eda, SnapEDA_Link=https://www.snapeda.com/parts/ECS-130-20-3X-TR/ECS%20Inc./view-part/2459108/?ref=snap

## Via types
v1: diameter 0.8, hole 0.4, Top Layer to Bottom Layer, 150 vias

## Nets (pads, with @x,y where several pads share a name; then routed paths per layer and width w, separated by ;. In a path a pad name is that pad's centre, name@x,y a point inside that pad or via, vN(x,y) a via of type N, cw(c..) or ccw(c..) an arc to the next point about the centre after c; other vN are vias at no path point)
3.3V: C57.1 C67.1 C90.1 IC1.10 J3.1 L8.1 R11.1 R15.1 R18.2 R19.1 R24.1 R31.2 U3.3 | length 167.7
  Top Layer w0.4: R24.1@190.5,85.686 v1(190.5,86.848) 190.5,88.011 191.317,88.828 194.873,88.828 197.385,91.34 197.385,93.499 198.247,94.361 R19.1@199.683,94.361 R18.2@199.683,96.012 ; C67.1@190.754,99.988 190.817,99.924 C67.1@190.817,99.441 ; v1(190.881,98.679) 190.881,99.441 194.263,99.441 194.564,99.742 IC1.10@194.564,101.092 ; U3.3@212.745,84.669 215.598,84.669 R15.1@215.646,84.621 218.651,84.621 219.125,84.147 219.125,84.024 v1(219.202,83.947) ; C57.1@213.106,56.348 213.106,66.948 213.614,67.456 v1(213.614,67.564) ; 217.17,56.007 R31.2@217.17,52.666 C90.1@218.948,52.666
  Top Layer w2: C57.1@213.106,56.348 213.122,56.332 224.933,56.332 L8.1@225.044,56.221
  Bottom Layer w0.4: v1(190.5,86.848) 190.5,84.582 194.921,80.161 194.921,69.239 196.596,67.564 209.824,67.564 ; v1(190.881,98.679) 190.934,98.626 190.934,98.118 191.989,97.063 217.663,97.063 219.202,95.524 v1(219.202,83.947) 222.123,81.026 222.123,67.798 221.889,67.564 v1(213.614,67.564) 209.824,67.564 ; J3.1@210.058,69.977 210.058,67.798 209.824,67.564
5V_D: C68.2 C69.2 C70.2 C71.2 C72.2 C73.2 C75.2 C78.2 C79.2 C82.2 C83.2 LED1.4 LED2.4 LED3.4 LED4.4 LED5.4 LED6.4 LED7.4 LED8.4 LED9.4 LED10.4 LED11.4 LED12.4 LED13.4 LED14.4 LED15.4 LED16.4 LED17.4 LED18.4 P6.1 U12.1 | length 317.5
  Top Layer w0.2: C79.2@95.123,105.703 99.873,105.703 100.42,105.156 v1(100.457,105.156) ; C78.2@103.886,105.957 103.925,105.918 v1(108.204,105.918) ; C75.2@127.381,105.83 127.596,106.045 v1(131.191,106.045) ; C73.2@135.636,105.703 135.839,105.906 v1(139.12,105.906) ; C72.2@149.479,105.957 149.518,105.918 v1(153.924,105.918) ; C71.2@156.718,105.957 156.757,105.918 v1(161.671,105.918) ; C70.2@164.465,105.83 164.553,105.918 v1(169.164,105.918) ; C69.2@189.073,106.126 189.281,105.918 v1(192.024,105.918)
  Top Layer w0.4: U12.1@189.484,41.1 189.484,43.18 C83.2@189.777,43.18 189.777,44.962 C82.2@189.527,45.212 189.527,56.558 190.5,57.531 199.009,57.531 202.946,53.594 209.296,53.594 210.313,54.611 210.313,58.292 212.344,60.323 212.344,73.406 ; P6.1@210.058,73.406 212.344,73.406 ; C68.2@220.472,111.086 222.416,111.086 224.282,109.22 v1(224.282,105.156) ; v1(230.886,105.283) 236.578,105.283 236.812,105.049 236.812,82.38 236.474,82.042 220.091,82.042 216.027,77.978 216.027,74.295 215.138,73.406 212.344,73.406
  Bottom Layer w0.2: LED18.4@99.212,105.876 99.254,105.834 99.254,105.343 99.441,105.156 v1(100.457,105.156) 106.807,105.156 ; v1(108.204,105.918) 106.895,105.918 LED17.4@106.853,105.876 106.853,105.202 106.807,105.156 ; LED16.4@114.494,105.876 114.494,105.179 114.471,105.156 ; LED15.4@122.135,105.876 122.135,105.195 122.174,105.156 ; v1(131.191,106.045) 129.945,106.045 LED14.4@129.776,105.876 129.776,105.176 129.795,105.156 ; v1(139.12,105.906) 137.446,105.906 LED13.4@137.416,105.876 137.416,105.156 ; LED12.4@145.057,105.876 145.057,105.156 ; v1(153.924,105.918) 152.74,105.918 LED11.4@152.698,105.876 152.698,105.156 ; v1(161.671,105.918) 160.381,105.918 LED10.4@160.339,105.876 160.339,105.156 ; v1(169.164,105.918) 168.022,105.918 LED9.4@167.98,105.876 167.98,105.156 ; LED8.4@175.621,105.876 175.621,105.156 ; LED7.4@183.262,105.876 183.262,105.156 ; v1(192.024,105.918) 190.945,105.918 LED6.4@190.903,105.876 190.903,105.156 ; 198.543,105.197 LED5.4@198.543,105.876 ; LED4.4@206.184,105.876 206.184,105.156 ; LED3.4@213.894,105.876 213.894,105.156 ; LED2.4@221.466,105.876 221.466,105.156 ; LED1.4@229.107,105.876 229.107,105.273 228.99,105.156 221.466,105.156 ; 106.807,105.156 114.471,105.156 ; 114.471,105.156 122.174,105.156 ; 122.174,105.156 129.795,105.156 ; 129.795,105.156 137.416,105.156 ; 137.416,105.156 145.057,105.156 ; 145.057,105.156 152.698,105.156 ; 152.698,105.156 160.339,105.156 ; 160.339,105.156 167.98,105.156 ; 167.98,105.156 175.621,105.156 ; 175.621,105.156 183.262,105.156 ; 183.262,105.156 190.903,105.156 ; 190.903,105.156 206.184,105.156 ; 206.184,105.156 213.894,105.156 ; 213.894,105.156 221.466,105.156
  Bottom Layer w0.4: LED16.4@114.494,105.876 LED16.4@114.554,105.816 ; LED1.4@229.107,105.876 230.185,105.876 230.778,105.283 v1(230.886,105.283)
12V: C7.2 C9.1 C59.2 C60.2 IC2.8 L9.1 L12.2 R8.2 | length 82.8
  Top Layer w0.2: C7.2@153.035,62.572 154.936,62.572 C9.1@155.067,62.441 155.133,62.507 155.491,62.865 IC2.8@157.435,62.865 ; IC2.8@157.607,62.865 159.893,62.865 160.909,61.849 160.909,59.436 162.814,57.531 170.942,57.531 173.57,60.159 v1@173.57,65.825
  Top Layer w0.4: IC2.8@157.435,62.74 IC2.8@157.607,62.74 ; R8.2@173.57,67.056 173.59,67.037 173.59,65.844 173.57,65.825 v1(173.609,65.786) ; v1(179.705,65.659) 179.705,60.452 181.483,58.674 202.13,58.674 L12.2@202.438,58.982 203.972,58.982 ; L9.1@203.972,56.517 203.972,58.982 ; 209.65,61.988 209.65,62.677 C60.2@209.442,62.884 ; C59.2@211.201,62.865 211.182,62.884 C60.2@209.442,62.884 ; 203.972,58.982 208.207,58.982 209.423,60.198 C60.2@209.423,62.904 C60.2@209.442,62.884
  Bottom Layer w0.4: v1(173.609,65.786) 179.47,65.786 179.597,65.659 v1(179.705,65.659)
12V_FAN: C80.2 C81.2 C93.1 C96.1 L10.1 P4.1 R16.2 R33.2 R62.2 U6.1 U9.5 U12.3 | length 117.4
  Top Layer w0.4: U6.1@170.18,33.782 170.775,33.187 175.387,33.187 ; U9.5@175.393,37.021 175.387,37.015 175.387,33.187 ; R62.2@181.952,39.116 181.952,38.139 182.372,37.719 184.996,37.719 C80.2@185.039,37.762 ; U12.3@189.484,38.1 185.377,38.1 C80.2@185.039,37.762 ; C93.1@195.961,35.393 185.039,35.393 ; 175.387,33.187 181.65,33.187 183.856,35.393 185.039,35.393 ; 185.039,35.393 C80.2@185.039,37.762
  Top Layer w2: C93.1@196.088,35.393 196.088,44.958 197.485,46.355 207.939,46.355 L10.1@208.407,46.823
  Bottom Layer w1: C93.1@196.088,35.393 218.908,35.393 227.584,44.069 233.729,44.069 234.315,44.655 P4.1@234.315,55.372
AB/D: R65.1 U1.14 | length 4.4
  Top Layer w0.2: U1.14@180.186,98.263 181.181,98.263 182.371,99.453 182.371,99.807 182.704,100.14 183.491,100.14 R65.1@183.554,100.203
ADKEY: R24.2 R25.2 R26.2 R27.2 R28.2 R37.2 U1.15 | length 62.2
  Top Layer w0.2: U1.15@180.186,98.663 181.044,98.663 181.99,99.609 181.99,100.964 182.245,101.219 188.087,101.219 188.877,100.429 188.877,97.437 188.341,96.901 187.579,96.901 186.944,96.266 186.944,92.202 183.642,88.9 180.975,88.9 178.816,86.741 178.816,81.661 179.217,81.26 182.489,81.26 ; R27.2@182.372,82.13 182.372,81.377 182.489,81.26 ; R25.2@186.436,82.13 186.436,81.26 ; R24.2@190.373,83.859 R24.2@190.5,83.986 ; R26.2@190.5,82.13 190.5,81.26 ; R28.2@194.564,82.13 194.564,81.329 194.495,81.26 ; R37.2@198.628,82.13 198.628,81.397 198.491,81.26 194.495,81.26 ; 182.489,81.26 186.436,81.26 ; 186.436,81.26 190.5,81.26 ; 190.5,81.26 194.495,81.26
  Top Layer w0.4: R26.2@190.5,82.13 R24.2@190.5,83.986
AGND: C5.2 C11.2 C29.2 C40.1 C43.2 L1.2 R1.2 R2.2 R3.1 R35.2 U1.31 | length 97.1
  Top Layer w0.2: C43.2@159.258,53.379 159.385,53.252 159.385,52.705 159.512,52.578 167.64,52.578 176.657,61.595 176.657,67.818 175.133,69.342 v1(173.609,69.342) ; C40.1@161.163,53.379 C40.1@161.554,52.988 ; R3.1@162.422,72.771 162.735,73.084 162.735,73.962 163.143,74.37 163.143,79.704 163.322,79.883 166.497,79.883 171.069,84.455 v1(174.498,84.455) 175.436,85.393 175.436,91.899 174.111,93.224 174.111,93.798 C29.2@174.002,93.907 174.052,93.907 174.452,94.307 174.452,94.378 174.498,94.424 174.498,96.11 175.051,96.663 U1.31@176.176,96.663 ; v1(173.482,71.628) 173.482,81.026 v1(174.498,82.042)
  Top Layer w0.4: C43.2@159.258,53.379 C40.1@161.163,53.379 ; R1.2@160.231,76.708 R1.2@160.231,76.874 ; R1.2@160.334,76.718 160.344,76.708 160.528,76.524 160.416,76.524 160.416,74.861 L1.2@160.601,74.676 160.565,74.639 160.565,72.808 160.528,72.771 R2.2@160.528,72.732
  Top Layer w1: C5.2@158.414,76.708 R1.2@160.231,76.708 ; C11.2@158.584,72.771 160.528,72.771 R3.1@162.422,72.771 ; R1.2@160.344,76.708 R35.2@162.291,76.708
  Bottom Layer w0.2: v1(173.482,71.628) 173.546,71.564 173.546,69.406 v1(173.609,69.342) ; v1(174.498,82.042) v1(174.498,84.455)
AUX_DET: U1.7 | length 2
  Top Layer w0.2: 179.181,93.683 U1.7@179.181,95.658
AUXL: U1.5 | length 2
  Top Layer w0.2: 178.381,93.683 U1.5@178.381,95.658
AUXR: U1.4 | length 2
  Top Layer w0.2: 177.981,93.683 U1.4@177.981,95.658
BASS+: C37.1 IC2.3 R9.2 | length 11.7
  Top Layer w0.4: IC2.3@162.859,65.405 165.227,65.405 165.735,65.913 165.735,68.199 166.751,69.215 169.506,69.215 R9.2@169.799,68.922 170.092,69.215 171.03,69.215 C37.1@171.323,69.508
BT_OSCI: C85.1 U1.17 Y1.1 | length 9
  Top Layer w0.2: C85.1@177.634,107.569 177.634,104.516 Y1.1@177.756,104.394 178.322,104.394 178.822,103.894 178.822,103.245 179.581,102.486 U1.17@179.581,99.668
BT_OSCO: C84.1 U1.18 Y1.2 | length 13.9
  Top Layer w0.2: C84.1@172.378,107.569 172.378,104.516 Y1.2@172.256,104.394 172.51,104.14 172.51,103.494 173.261,102.743 178.435,102.743 179.181,101.997 U1.18@179.181,99.668
BT_RF: C54.2 L11.1 U1.16 | length 6.3
  Top Layer w0.2: U1.16@180.186,99.063 180.906,99.063 181.61,99.767 181.61,101.766 181.419,101.957 C54.2@181.737,102.274 181.903,102.108 183.375,102.108 L11.1@183.502,102.235
Buzzer: J3.4 J4.1 U3.31 | length 36
  Top Layer w0.4: J4.1@188.849,70.104 191.643,70.104 193.929,67.818 202.204,67.818 202.438,68.052 J3.4@202.438,69.977 ; v1(199.009,83.947) 198.932,84.024 198.932,85.648 199.553,86.269 U3.31@200.945,86.269
  Bottom Layer w0.4: v1(199.009,83.947) 199.009,77.089 200.605,75.493 200.605,72.699 202.42,70.884 202.42,69.995 J3.4@202.438,69.977
CS1: U1.19 | length 2
  Top Layer w0.2: U1.19@178.781,99.668 178.781,101.643
CS2: U1.20 | length 2
  Top Layer w0.2: U1.20@178.381,99.668 178.381,101.643
CS3: U1.21 | length 2
  Top Layer w0.2: U1.21@177.981,99.668 177.981,101.643
CS4: U1.22 | length 2
  Top Layer w0.2: U1.22@177.581,99.668 177.581,101.643
CS5: J4.2 U1.25 | length 48.2
  Top Layer w0.2: v1(173.482,85.725) 173.482,91.694 172.212,92.964 172.212,97.35 173.925,99.063 U1.25@176.176,99.063 ; v1(179.451,67.437) 182.626,67.437 185.039,69.85 186.563,69.85 J4.2@186.817,70.104
  Bottom Layer w0.2: v1(173.482,85.725) 173.482,74.422 174.879,73.025 174.879,68.326 175.768,67.437 v1(179.451,67.437)
CS6: J6.2 U1.26 | length 36.2
  Top Layer w0.2: v1(174.498,87.249) 174.498,91.313 172.72,93.091 172.72,97.321 174.062,98.663 U1.26@176.176,98.663
  Top Layer w0.4: v1(179.959,71.247) J6.2@181.102,71.247
  Bottom Layer w0.4: v1(174.498,87.249) 177.165,87.249 178.562,85.852 178.562,71.882 179.197,71.247 v1(179.959,71.247)
CS7: J7.1 U1.27 | length 7.4
  Top Layer w0.2: v1(173.482,96.774) 173.482,97.545 174.2,98.263 U1.27@176.176,98.263
  Bottom Layer w0.2: J7.1@172.72,100.076 172.72,97.536 v1(173.482,96.774)
CTRL: C10.2 R4.2 R5.1 U5.2 U7.2 | length 72.8
  Top Layer w0.2: U7.2@149.479,52.832 151.765,52.832 152.4,52.197 168.021,52.197 177.165,61.341 177.165,68.707 175.534,70.338 175.006,70.338 ; U5.2@149.479,70.993 151.003,70.993 152.146,69.85 165.227,69.85 165.715,70.338 175.006,70.338 ; R5.1@174.987,71.647 175.006,71.628 175.006,70.338
  Top Layer w0.4: R5.1@174.987,71.647 174.996,71.657 R4.2@178.298,71.657
DACL: R6.2 R34.2 U1.2 | length 27.3
  Top Layer w0.2: R34.2@167.836,76.796 167.836,80.147 170.546,82.857 174.932,82.857 176.276,84.201 176.276,91.885 177.181,92.79 U1.2@177.181,95.658
  Top Layer w0.4: R34.2@167.679,76.796 167.718,76.835 R34.2@167.855,76.835 ; R34.2@167.767,76.835 R6.2@169.584,76.835
DACR: R29.2 R36.1 U1.1 | length 31.5
  Top Layer w0.2: R29.2@167.855,72.771 167.855,73.953 167.005,74.803 167.005,79.854 170.589,83.438 174.751,83.438 175.816,84.503 175.816,92.25 176.781,93.215 U1.1@176.781,95.658
  Top Layer w0.4: R29.2@167.855,72.771 R36.1@169.584,72.771
DCVDD: C19.1 U1.12 | length 3.5
  Top Layer w0.2: U1.12@180.186,97.463 181.456,97.463 182.091,98.098 C19.1@183.4,98.098
EN: C1.2 J3.3 R11.2 U3.8 | length 47.3
  Top Layer w0.4: U3.8@212.745,88.669 214.186,88.669 214.709,89.193 C1.2@217.551,89.193 v1(217.551,87.757) R11.2@217.551,86.321
  Bottom Layer w0.4: J3.3@204.978,69.977 204.978,71.374 205.232,71.628 211.455,71.628 214.376,68.707 220.738,68.707 221.361,69.33 221.361,79.756 217.551,83.566 v1(217.551,87.757)